# KiCad board Wrap030-Multiuser.kicad_pcb (continued)
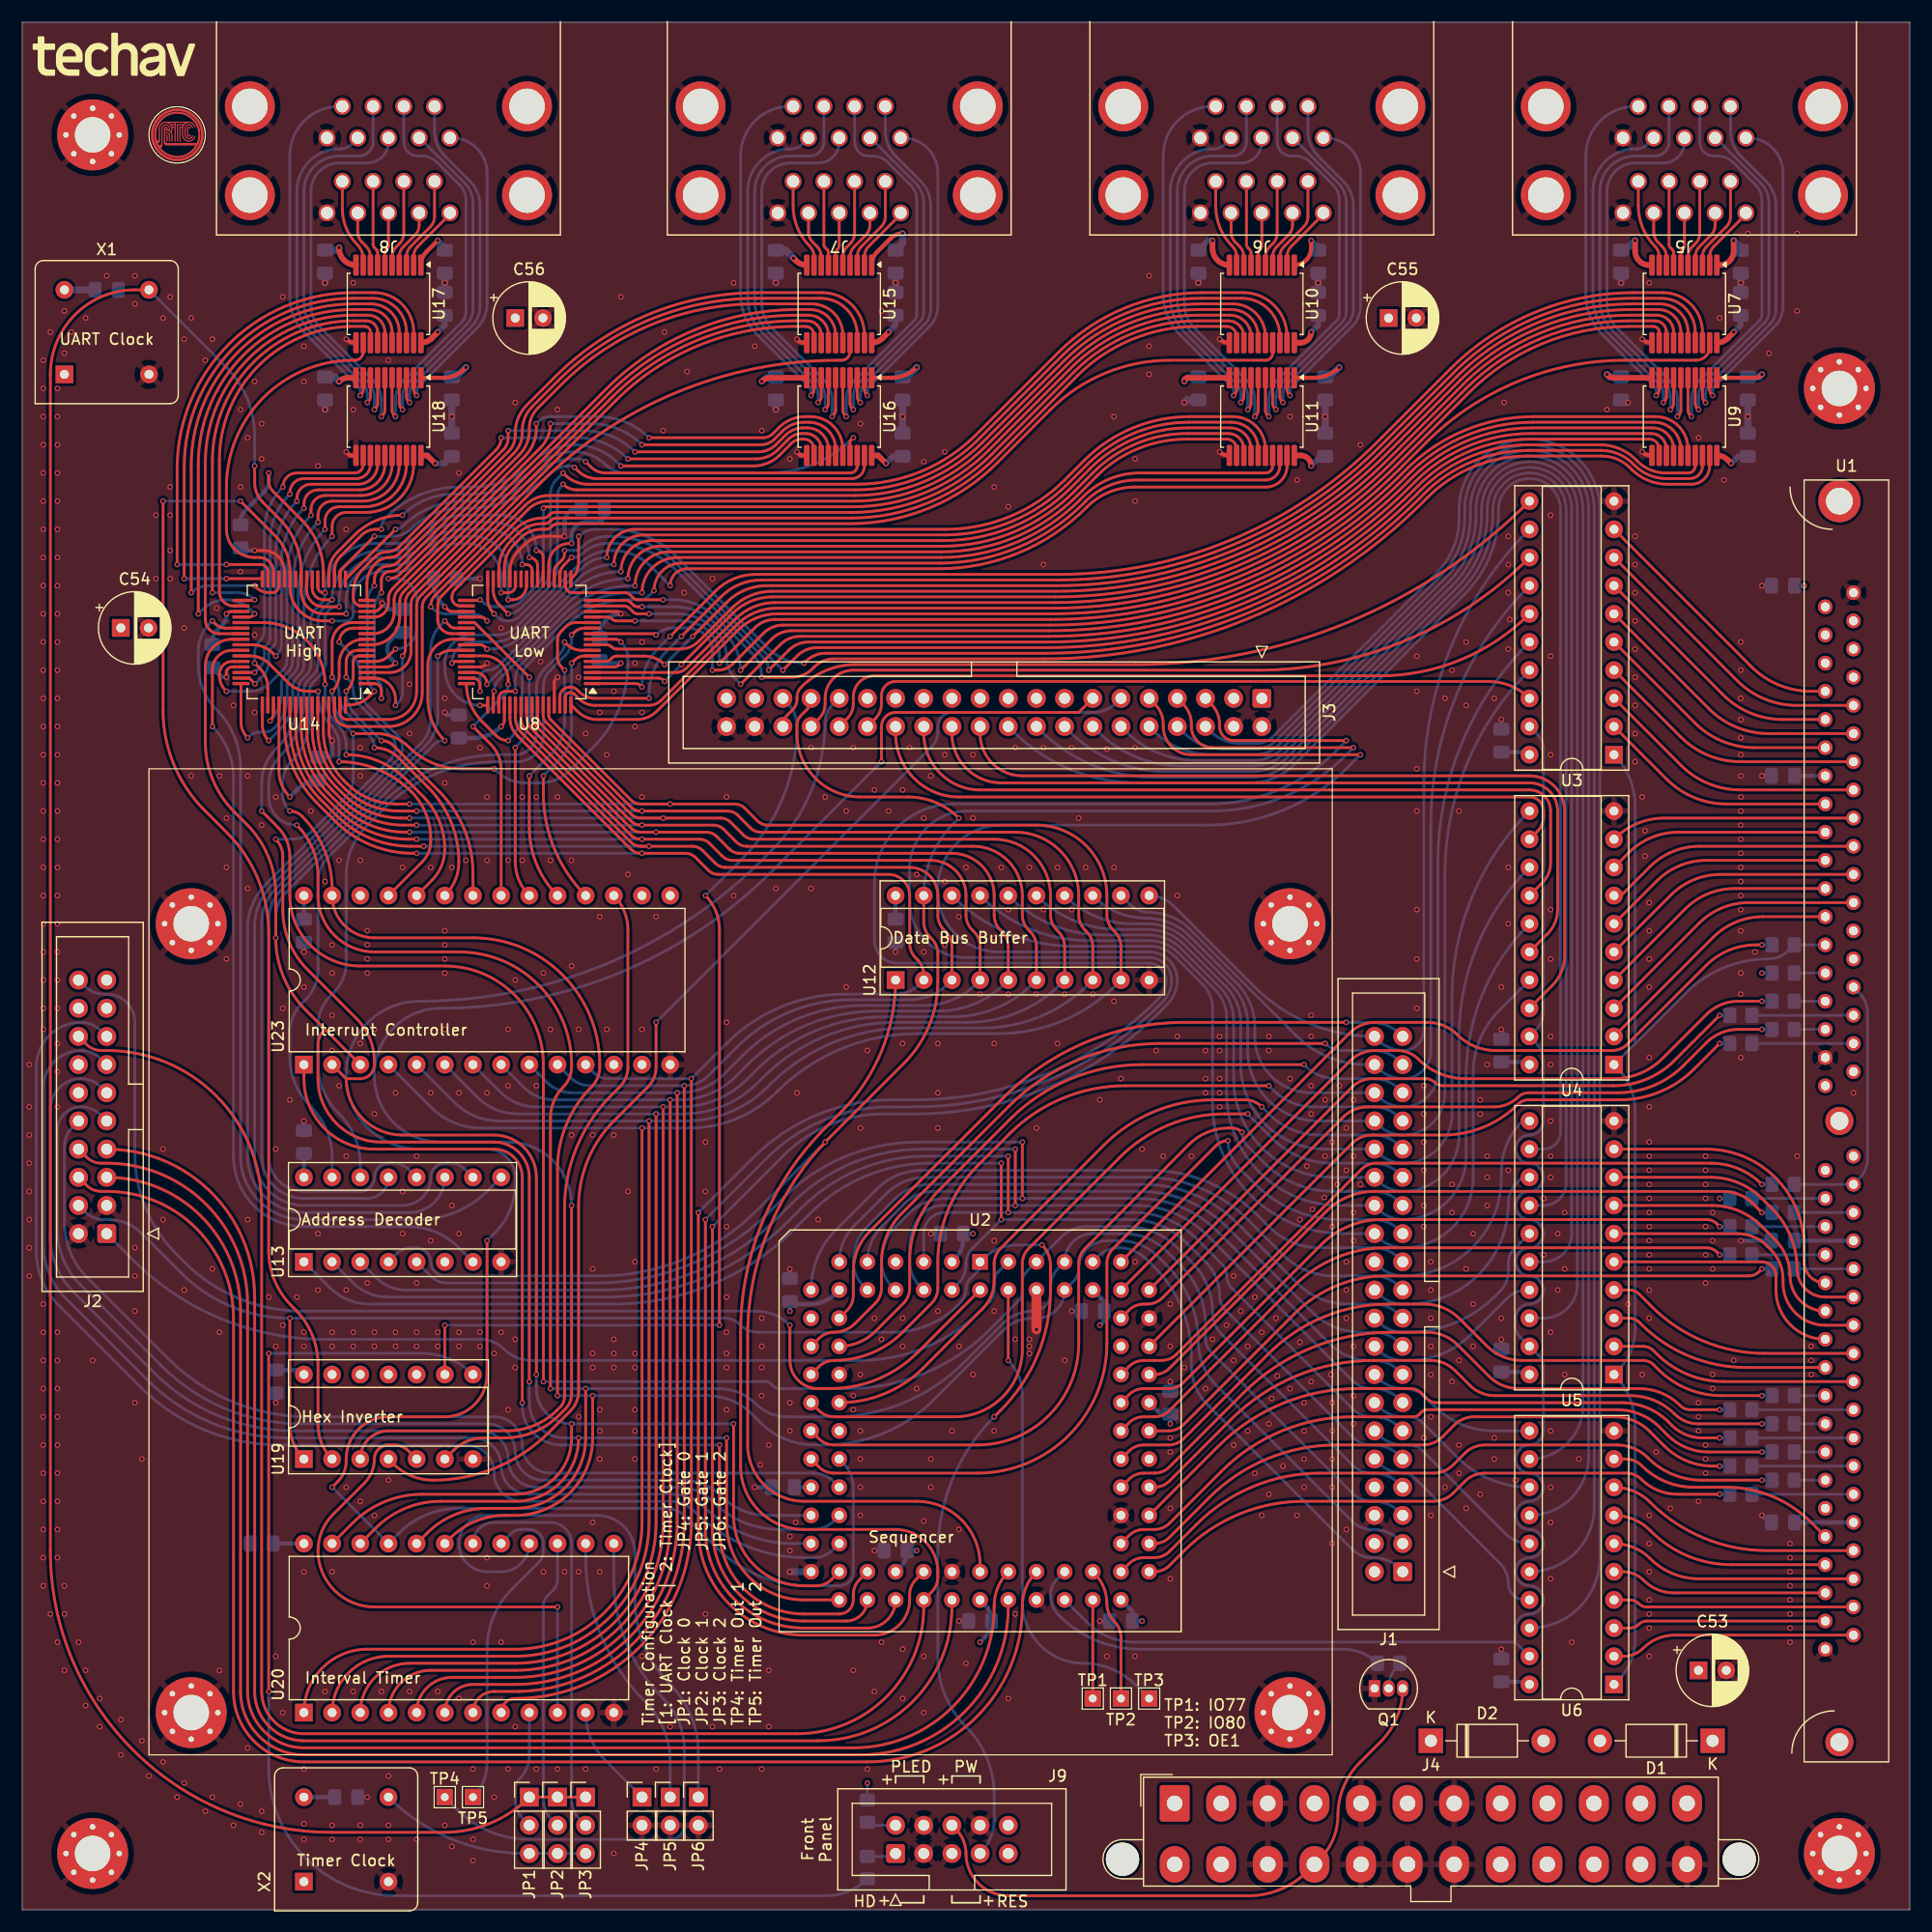
[diagram p0: board, top side]
## Routing (per net, layer and track width the routed paths; a pad name or vN(x,y) marks a point on that pad's centre or on a via; arc(x,y) is an arc through that point) (continued)
/COM0-CTS: length 7.7
  Top w0.254: U7.7 148.88,149.41 arc(148.86,149.55) 148.77,149.68 148.59,149.86 arc(148.5,149.99) 148.48,150.13 J5.A8
/COM0-DCD: length 6
  Top w0.254: J5.A1 155.4,152.86 152.51,149.97 arc(152.23,149.55) 152.13,149.07 U7.2
/COM0-DSR: length 8.5
  Top w0.254: U7.3 151.49,149.05 arc(151.58,149.54) 151.86,149.95 153.64,151.74 arc(153.92,152.15) 154.01,152.64 J5.A6
/COM0-DTR: length 5.1
  Top w0.254: J5.A4 147.09,151.25 arc(147.19,150.77) 147.46,150.35 147.86,149.95 arc(148.14,149.54) 148.24,149.05 U7.8
/COM0-RI: length 8.1
  Top w0.254: U7.9 147.58,149.07 arc(147.49,149.55) 147.21,149.97 arc(146.1,151.64) 145.7,153.61 J5.A9
/COM0-RTS: length 7.9
  Top w0.254: J5.A7 151.25,151.14 arc(151.15,150.65) 150.87,150.24 150.56,149.92 arc(150.28,149.51) 150.19,149.02 U7.5
/COM0-RXD: length 5.3
  Top w0.254: U7.4 150.83,149.04 arc(150.93,149.52) 151.21,149.94 152.26,150.99 arc(152.53,151.4) 152.63,151.89 J5.A2
/COM0-TXD: length 4.8
  Top w0.254: J5.A3 149.86,150.02 arc(149.83,149.87) 149.75,149.75 149.65,149.65 arc(149.56,149.52) 149.54,149.38 U7.6
/COM1-CTS: length 37
  Top w0.254: U9.7 148.88,135.81 arc(148.84,135.57) 148.7,135.36 v1(148.59,135.25)
  Bottom w0.254: J5.B8 148.48,159.39 arc(148.1,158.49) 147.2,158.12 145.42,158.12 arc(143.17,157.19) 142.24,154.94 142.24,145.09 arc(142.53,143.63) 143.36,142.39 148.03,137.72 arc(148.44,137.1) 148.59,136.37 v1(148.59,135.25)
/COM1-DCD: length 29.4
  Top w0.254: U9.2 152.13,137.05 arc(152.18,136.81) 152.32,136.6 v1(152.4,136.53)
  Bottom w0.254: v1(152.4,136.53) 152.4,136.9 arc(152.45,137.14) 152.59,137.35 158.01,142.77 arc(158.56,143.59) 158.75,144.56 158.75,156.58 arc(157.82,158.82) 155.57,159.75 J5.B1
/COM1-DSR: length 32.9
  Top w0.254: U9.3 151.49,136.43 arc(151.53,136.19) 151.67,135.98 v1(151.76,135.89)
  Bottom w0.254: v1(151.76,135.89) 151.76,136.63 arc(151.86,137.12) 152.14,137.53 157.56,142.95 arc(157.97,143.57) 158.12,144.3 158.12,153.62 arc(157.87,154.84) 157.19,155.87 154.94,158.11 arc(154.26,159.14) 154.01,160.36 J5.B6
/COM1-DTR: length 31.8
  Top w0.254: U9.8 148.24,136.43 arc(148.19,136.19) 148.05,135.98 v1(147.95,135.89)
  Bottom w0.254: v1(147.95,135.89) 147.95,136.63 arc(147.86,137.12) 147.58,137.53 142.91,142.21 arc(141.94,143.65) 141.61,145.35 141.61,154.94 arc(142.72,157.63) 145.42,158.75 145.56,158.75 arc(146.05,158.85) 146.46,159.12 J5.B4
/COM1-RI: length 33
  Top w0.254: U9.9 147.58,137.05 arc(147.54,136.81) 147.4,136.6 v1(147.32,136.53)
  Bottom w0.254: J5.B9 145.42,162.59 arc(142.27,161.29) 140.97,158.15 140.97,145.61 arc(141.36,143.67) 142.46,142.02 147.13,137.35 arc(147.27,137.14) 147.32,136.9 v1(147.32,136.53)
/COM1-RTS: length 37.1
  Top w0.254: v1(150.5,134.62) 150.37,134.74 arc(150.23,134.95) 150.19,135.19 U9.5
  Bottom w0.254: J5.B7 151.25,159.39 arc(151.62,158.49) 152.51,158.12 152.88,158.12 arc(153.61,157.97) 154.23,157.56 156.29,155.5 arc(156.7,154.88) 156.85,154.15 156.85,143.77 arc(156.8,143.53) 156.66,143.32 151.24,137.9 arc(150.69,137.08) 150.5,136.11 v1(150.5,134.62)
/COM1-RXD: length 31.9
  Top w0.254: v1(151.13,135.25) 151.02,135.36 arc(150.88,135.57) 150.83,135.81 U9.4
  Bottom w0.254: v1(151.13,135.25) 151.13,136.37 arc(151.28,137.1) 151.69,137.72 157.11,143.14 arc(157.38,143.55) 157.48,144.04 157.48,153.89 arc(157.29,154.86) 156.74,155.68 152.67,159.75 J5.B2
/COM1-TXD: length 36.2
  Top w0.254: U9.6 149.54,135.19 arc(149.49,134.95) 149.35,134.74 v1(149.23,134.62)
  Bottom w0.254: v1(149.23,134.62) 149.23,136.11 arc(149.03,137.08) 148.48,137.9 143.8,142.58 arc(143.12,143.61) 142.88,144.83 142.88,154.94 arc(143.62,156.74) 145.42,157.48 147.95,157.48 arc(149.3,158.04) 149.86,159.39 J5.B3
/COM2-CTS: length 7.7
  Top w0.254: U10.7 110.79,149.41 arc(110.76,149.55) 110.67,149.68 110.49,149.86 arc(110.4,149.99) 110.38,150.13 J6.A8
/COM2-DCD: length 6
  Top w0.254: U10.2 114.04,149.07 arc(114.13,149.55) 114.41,149.97 117.3,152.86 J6.A1
/COM2-DSR: length 8.5
  Top w0.254: U10.3 113.39,149.05 arc(113.48,149.54) 113.76,149.95 115.54,151.74 arc(115.82,152.15) 115.92,152.64 J6.A6
/COM2-DTR: length 5.1
  Top w0.254: U10.8 110.14,149.05 arc(110.04,149.54) 109.76,149.95 109.36,150.35 arc(109.09,150.77) 108.99,151.25 J6.A4
/COM2-RI: length 8.1
  Top w0.254: J6.A9 107.61,153.61 arc(108,151.64) 109.11,149.97 arc(109.39,149.55) 109.48,149.07 U10.9
/COM2-RTS: length 7.9
  Top w0.254: U10.5 112.08,149.02 arc(112.18,149.51) 112.46,149.92 112.77,150.24 arc(113.05,150.65) 113.14,151.14 J6.A7
/COM2-RXD: length 5.3
  Top w0.254: U10.4 112.73,149.04 arc(112.83,149.52) 113.11,149.94 114.16,150.99 arc(114.43,151.4) 114.53,151.89 J6.A2
/COM2-TXD: length 4.8
  Top w0.254: U10.6 111.44,149.38 arc(111.46,149.52) 111.55,149.65 111.65,149.75 arc(111.73,149.87) 111.76,150.02 J6.A3
/COM3-CTS: length 37
  Top w0.254: v1(110.49,135.25) 110.6,135.36 arc(110.74,135.57) 110.79,135.81 U11.7
  Bottom w0.254: J6.B8 110.38,159.39 arc(110,158.49) 109.11,158.12 107.32,158.12 arc(105.07,157.19) 104.14,154.94 104.14,145.09 arc(104.43,143.63) 105.26,142.39 109.93,137.72 arc(110.34,137.1) 110.49,136.37 v1(110.49,135.25)
/COM3-DCD: length 29.4
  Top w0.254: v1(114.3,136.53) 114.22,136.6 arc(114.08,136.81) 114.04,137.05 U11.2
  Bottom w0.254: J6.B1 117.48,159.75 arc(119.72,158.82) 120.65,156.58 120.65,144.56 arc(120.46,143.59) 119.91,142.77 114.49,137.35 arc(114.35,137.14) 114.3,136.9 v1(114.3,136.53)
/COM3-DSR: length 32.9
  Top w0.254: U11.3 113.39,136.43 arc(113.43,136.19) 113.57,135.98 v1(113.67,135.89)
  Bottom w0.254: v1(113.67,135.89) 113.67,136.63 arc(113.76,137.12) 114.04,137.53 119.46,142.95 arc(119.87,143.57) 120.02,144.3 120.02,153.62 arc(119.77,154.84) 119.09,155.87 116.84,158.11 arc(116.16,159.14) 115.92,160.36 J6.B6
/COM3-DTR: length 31.8
  Top w0.254: U11.8 110.14,136.43 arc(110.09,136.19) 109.95,135.98 v1(109.86,135.89)
  Bottom w0.254: J6.B4 108.36,159.12 arc(107.95,158.85) 107.46,158.75 107.32,158.75 arc(104.62,157.63) 103.51,154.94 103.51,145.35 arc(103.84,143.65) 104.81,142.21 109.48,137.53 arc(109.76,137.12) 109.86,136.63 v1(109.86,135.89)
/COM3-RI: length 33
  Top w0.254: U11.9 109.48,137.05 arc(109.44,136.81) 109.3,136.6 v1(109.22,136.53)
  Bottom w0.254: v1(109.22,136.53) 109.22,136.9 arc(109.17,137.14) 109.03,137.35 104.36,142.02 arc(103.26,143.67) 102.87,145.61 102.87,158.15 arc(104.17,161.29) 107.32,162.59 J6.B9
/COM3-RTS: length 37.1
  Top w0.254: v1(112.39,134.62) 112.27,134.74 arc(112.13,134.95) 112.08,135.19 U11.5
  Bottom w0.254: v1(112.39,134.62) 112.39,136.11 arc(112.59,137.08) 113.14,137.9 118.56,143.32 arc(118.7,143.53) 118.74,143.77 118.74,154.15 arc(118.6,154.88) 118.19,155.5 116.13,157.56 arc(115.51,157.97) 114.78,158.12 114.42,158.12 arc(113.52,158.49) 113.14,159.39 J6.B7
/COM3-RXD: length 31.9
  Top w0.254: U11.4 112.73,135.81 arc(112.78,135.57) 112.92,135.36 v1(113.03,135.25)
  Bottom w0.254: v1(113.03,135.25) 113.03,136.37 arc(113.18,137.1) 113.59,137.72 119.01,143.14 arc(119.28,143.55) 119.38,144.04 119.38,153.89 arc(119.19,154.86) 118.64,155.68 114.57,159.75 J6.B2
/COM3-TXD: length 36.2
  Top w0.254: v1(111.13,134.62) 111.25,134.74 arc(111.39,134.95) 111.44,135.19 U11.6
  Bottom w0.254: J6.B3 111.76,159.39 arc(111.2,158.04) 109.86,157.48 107.32,157.48 arc(105.52,156.74) 104.77,154.94 104.77,144.83 arc(105.02,143.61) 105.7,142.58 110.38,137.9 arc(110.93,137.08) 111.13,136.11 v1(111.13,134.62)
/COM4-CTS: length 7.7
  Top w0.254: 72.28,155.83 72.28,150.13 arc(72.3,149.99) 72.39,149.86 72.57,149.68 arc(72.66,149.55) 72.69,149.41 U15.7
/COM4-DCD: length 6
  Top w0.254: U15.2 75.94,149.07 arc(76.03,149.55) 76.31,149.97 79.2,152.86 J7.A1
/COM4-DSR: length 8.5
  Top w0.254: U15.3 75.28,149.05 arc(75.38,149.54) 75.66,149.95 77.44,151.74 arc(77.72,152.15) 77.82,152.64 77.82,155.83
/COM4-DTR: length 5.1
  Top w0.254: U15.8 72.03,149.05 arc(71.94,149.54) 71.66,149.95 71.26,150.35 arc(70.99,150.77) 70.89,151.25 J7.A4
/COM4-RI: length 8.1
  Top w0.254: J7.A9 69.51,153.61 arc(69.9,151.64) 71.01,149.97 arc(71.29,149.55) 71.39,149.07 U15.9
/COM4-RTS: length 7.9
  Top w0.254: U15.5 73.98,149.02 arc(74.08,149.51) 74.36,149.92 74.67,150.24 arc(74.95,150.65) 75.05,151.14 J7.A7
/COM4-RXD: length 5.3
  Top w0.254: J7.A2 76.43,151.89 arc(76.33,151.4) 76.06,150.99 75.01,149.94 arc(74.73,149.52) 74.64,149.04 74.64,148.28
/COM4-TXD: length 4.8
  Top w0.254: 73.34,148.28 73.34,149.38 arc(73.36,149.52) 73.45,149.65 73.55,149.75 arc(73.63,149.87) 73.66,150.02 J7.A3
/COM5-CTS: length 37
  Top w0.254: U16.7 72.69,135.81 arc(72.64,135.57) 72.5,135.36 v1(72.39,135.25)
  Bottom w0.254: v1(72.39,135.25) 72.39,136.37 arc(72.24,137.1) 71.83,137.72 67.16,142.39 arc(66.33,143.63) 66.04,145.09 66.04,154.94 arc(66.97,157.19) 69.22,158.12 71.01,158.12 arc(71.9,158.49) 72.28,159.39 72.28,162.59
/COM5-DCD: length 29.4
  Top w0.254: U16.2 75.94,137.05 arc(75.98,136.81) 76.12,136.6 v1(76.2,136.53)
  Bottom w0.254: J7.B1 79.38,159.75 arc(81.62,158.82) 82.55,156.58 82.55,144.56 arc(82.36,143.59) 81.81,142.77 76.39,137.35 arc(76.25,137.14) 76.2,136.9 v1(76.2,136.53)
/COM5-DSR: length 32.9
  Top w0.254: U16.3 75.28,136.43 arc(75.33,136.19) 75.47,135.98 v1(75.56,135.89)
  Bottom w0.254: v1(75.56,135.89) 75.56,136.63 arc(75.66,137.12) 75.94,137.53 81.36,142.95 arc(81.77,143.57) 81.92,144.3 81.92,153.62 arc(81.67,154.84) 80.99,155.87 78.74,158.11 arc(78.06,159.14) 77.82,160.36 77.82,162.59
/COM5-DTR: length 31.8
  Top w0.254: v1(71.76,135.89) 71.85,135.98 arc(71.99,136.19) 72.03,136.43 U16.8
  Bottom w0.254: v1(71.76,135.89) 71.76,136.63 arc(71.66,137.12) 71.38,137.53 66.71,142.21 arc(65.74,143.65) 65.41,145.35 65.41,154.94 arc(66.52,157.63) 69.22,158.75 69.36,158.75 arc(69.85,158.85) 70.26,159.12 J7.B4
/COM5-RI: length 33
  Top w0.254: U16.9 71.39,137.05 arc(71.34,136.81) 71.2,136.6 v1(71.12,136.53)
  Bottom w0.254: J7.B9 69.22,162.59 arc(66.07,161.29) 64.77,158.15 64.77,145.61 arc(65.16,143.67) 66.26,142.02 70.93,137.35 arc(71.07,137.14) 71.12,136.9 v1(71.12,136.53)
/COM5-RTS: length 37.1
  Top w0.254: U16.5 73.98,135.19 arc(74.03,134.95) 74.17,134.74 v1(74.3,134.62)
  Bottom w0.254: J7.B7 75.05,159.39 arc(75.42,158.49) 76.31,158.12 76.68,158.12 arc(77.41,157.97) 78.03,157.56 80.09,155.5 arc(80.5,154.88) 80.64,154.15 80.64,143.77 arc(80.6,143.53) 80.46,143.32 75.04,137.9 arc(74.49,137.08) 74.3,136.11 v1(74.3,134.62)
/COM5-RXD: length 31.9
  Top w0.254: 74.64,138.12 74.64,135.81 arc(74.68,135.57) 74.82,135.36 v1(74.93,135.25)
  Bottom w0.254: v1(74.93,135.25) 74.93,136.37 arc(75.08,137.1) 75.49,137.72 80.91,143.14 arc(81.18,143.55) 81.28,144.04 81.28,153.89 arc(81.09,154.86) 80.54,155.68 76.47,159.75 J7.B2
/COM5-TXD: length 36.2
  Top w0.254: v1(73.03,134.62) 73.15,134.74 arc(73.29,134.95) 73.34,135.19 73.34,138.12
  Bottom w0.254: v1(73.03,134.62) 73.03,136.11 arc(72.83,137.08) 72.28,137.9 67.6,142.58 arc(66.92,143.61) 66.67,144.83 66.67,154.94 arc(67.42,156.74) 69.22,157.48 71.76,157.48 arc(73.1,158.04) 73.66,159.39 J7.B3
/COM6-CTS: length 7.7
  Top w0.254: U17.7 32.05,149.41 arc(32.02,149.55) 31.93,149.68 31.75,149.86 arc(31.66,149.99) 31.64,150.13 31.64,155.83
/COM6-DCD: length 6
  Top w0.254: U17.2 35.3,149.07 arc(35.39,149.55) 35.67,149.97 38.56,152.86 J8.A1
/COM6-DSR: length 8.5
  Top w0.254: U17.3 34.64,149.05 arc(34.74,149.54) 35.02,149.95 36.8,151.74 arc(37.08,152.15) 37.17,152.64 J8.A6
/COM6-DTR: length 5.1
  Top w0.254: U17.8 31.39,149.05 arc(31.3,149.54) 31.02,149.95 30.62,150.35 arc(30.35,150.77) 30.25,151.25 J8.A4
/COM6-RI: length 8.1
  Top w0.254: U17.9 30.75,148.81 arc(30.6,149.54) 30.19,150.15 arc(29.21,151.62) 28.87,153.35 J8.A9
/COM6-RTS: length 7.9
  Top w0.254: J8.A7 34.41,151.14 arc(34.31,150.65) 34.03,150.24 33.72,149.92 arc(33.44,149.51) 33.34,149.02 U17.5
/COM6-RXD: length 5.3
  Top w0.254: J8.A2 35.79,151.89 arc(35.69,151.4) 35.42,150.99 34.37,149.94 arc(34.09,149.52) 34,149.04 34,148.28
/COM6-TXD: length 4.8
  Top w0.254: 32.7,148.28 32.7,149.38 arc(32.72,149.52) 32.81,149.65 32.91,149.75 arc(32.99,149.87) 33.02,150.02 J8.A3
/COM7-CTS: length 37
  Top w0.254: v1(31.75,135.25) 31.86,135.36 arc(32,135.57) 32.05,135.81 U18.7
  Bottom w0.254: 31.64,162.59 31.64,159.39 arc(31.26,158.49) 30.37,158.12 28.58,158.12 arc(26.33,157.19) 25.4,154.94 25.4,144.83 arc(25.64,143.61) 26.33,142.58 31.19,137.72 arc(31.6,137.1) 31.75,136.37 v1(31.75,135.25)
/COM7-DCD: length 29.4
  Top w0.254: v1(35.56,136.53) 35.48,136.6 arc(35.34,136.81) 35.3,137.05 U18.2
  Bottom w0.254: v1(35.56,136.53) 35.56,136.9 arc(35.61,137.14) 35.75,137.35 40.98,142.58 arc(41.67,143.61) 41.91,144.83 41.91,156.58 arc(40.98,158.82) 38.73,159.75 J8.B1
/COM7-DSR: length 32.9
  Top w0.254: U18.3 34.64,136.43 arc(34.69,136.19) 34.83,135.98 v1(34.92,135.89)
  Bottom w0.254: J8.B6 37.17,160.36 arc(37.42,159.14) 38.1,158.11 40.35,155.87 arc(41.03,154.84) 41.28,153.62 41.28,144.56 arc(41.08,143.59) 40.53,142.77 35.3,137.53 arc(35.02,137.12) 34.92,136.63 v1(34.92,135.89)
/COM7-DTR: length 31.8
  Top w0.254: U18.8 31.39,136.43 arc(31.35,136.19) 31.21,135.98 v1(31.12,135.89)
  Bottom w0.254: v1(31.12,135.89) 31.12,136.63 arc(31.02,137.12) 30.74,137.53 25.88,142.39 arc(25.06,143.63) 24.77,145.09 24.77,154.94 arc(25.88,157.63) 28.58,158.75 28.72,158.75 arc(29.21,158.85) 29.62,159.12 J8.B4
/COM7-RI: length 33
  Top w0.254: v1(30.48,136.53) 30.56,136.6 arc(30.7,136.81) 30.75,137.05 U18.9
  Bottom w0.254: v1(30.48,136.53) 30.48,136.9 arc(30.43,137.14) 30.29,137.35 25.43,142.21 arc(24.47,143.65) 24.13,145.35 ; J8.B9 28.58,162.59 arc(25.43,161.29) 24.13,158.15 24.13,145.34
/COM7-RTS: length 37.1
  Top w0.254: v1(33.66,134.62) 33.53,134.74 arc(33.39,134.95) 33.34,135.19 U18.5
  Bottom w0.254: J8.B7 34.41,159.39 arc(34.78,158.49) 35.67,158.12 36.04,158.12 arc(36.77,157.97) 37.39,157.56 39.45,155.5 arc(39.86,154.88) 40.01,154.15 40.01,144.04 arc(39.91,143.55) 39.63,143.14 34.4,137.9 arc(33.85,137.08) 33.66,136.11 v1(33.66,134.62)
/COM7-RXD: length 31.8
  Top w0.254: 34,138.12 34,135.81 arc(34.04,135.57) 34.18,135.36 v1(34.29,135.25)
  Bottom w0.254: v1(34.29,135.25) 34.29,136.37 arc(34.44,137.1) 34.85,137.72 40.08,142.95 arc(40.49,143.57) 40.64,144.3 40.64,153.89 arc(40.45,154.86) 39.9,155.68 35.83,159.75 J8.B2
/COM7-TXD: length 36.2
  Top w0.254: 32.7,138.12 32.7,135.19 arc(32.65,134.95) 32.51,134.74 v1(32.39,134.62)
  Bottom w0.254: J8.B3 33.02,159.39 arc(32.46,158.04) 31.12,157.48 28.58,157.48 arc(26.78,156.74) 26.03,154.94 26.03,144.56 arc(26.23,143.59) 26.78,142.77 31.64,137.9 arc(32.19,137.08) 32.39,136.11 v1(32.39,134.62)
/CPU-A0: length 90.6
  Bottom w0.254: U2.27 73.13,38.63 arc(72.31,39.18) 71.34,39.37 47.62,39.37 arc(45.83,40.11) 45.09,41.91 arc(44.34,43.71) 42.55,44.45 25.78,44.45 arc(18.98,45.8) 13.21,49.66 5.86,57.01 arc(4.34,59.28) 3.81,61.95 3.81,68.8 arc(4,69.77) 4.55,70.59 J2.10
/CPU-A1: length 43.8
  Bottom w0.254: J1.1 124.12,30.82 arc(123.09,31.51) 121.87,31.75 121.7,31.75 arc(120.73,31.94) 119.91,32.49 106.85,45.55 arc(105.78,47.15) 105.41,49.03 105.41,49.91 arc(104.55,54.25) 102.09,57.93 101.38,58.64 arc(100.22,59.42) 98.84,59.69 arc(97.87,59.5) 97.05,58.95 U2.77
/CPU-A2: length 243.1
  Top w0.254: U20.19 38.59,33.51 arc(40.86,35.03) 43.53,35.56 44.45,35.56 arc(49.39,37.61) 51.44,42.55 v1(51.44,46.36) ; U14.24 25.65,119 arc(26.1,117.92) 27.17,117.48 v1(28.58,117.48) ; U8.24 45.97,120.78 arc(45.82,121.14) 45.46,121.29 v1(45.09,121.29) ; v1(48.26,46.36) 48.26,66.78 arc(49.06,70.79) 51.33,74.19 arc(51.88,75.01) 52.07,75.98 52.07,76.2 arc(48.72,84.28) 40.64,87.63 31.75,87.63 arc(29.06,88.75) U23.27 27.94,92.03 arc(27.23,95.59) 25.21,98.61 arc(24.72,98.94) v1(24.13,99.06)
  Bottom w0.254: v1(24.13,99.06) 24.05,99.14 arc(23.64,99.76) 23.5,100.48 23.5,101.69 arc(23.69,102.66) 24.24,103.49 arc(25.47,105.34) 25.91,107.52 25.91,109.84 arc(26,110.32) 26.28,110.73 26.93,111.39 arc(27.21,111.8) 27.31,112.29 27.31,116.41 arc(27.38,116.81) 27.61,117.15 arc(27.98,117.39) 28.41,117.48 v1(28.58,117.48) 28.58,118.11 arc(29.69,120.8) 32.39,121.92 33.87,121.92 arc(34.84,122.11) 35.67,122.66 arc(37.66,123.99) 40,124.46 41.91,124.46 arc(44.16,123.53) v1(45.09,121.29) ; J1.3 124.12,33.36 arc(123.09,34.05) 121.87,34.29 121.7,34.29 arc(120.73,34.48) 119.91,35.03 107.64,47.3 arc(106.46,49.07) 106.05,51.15 arc(105.29,54.93) 103.15,58.14 102.38,58.91 arc(100.81,59.96) 98.97,60.33 97.79,60.33 arc(95.99,59.58) 95.25,57.79 arc(95.13,57.2) 94.8,56.7 U2.80 arc(93.24,54.08) 91.44,53.34 91.11,53.34 arc(89.66,53.05) 88.42,52.22 82.19,45.99 arc(77.67,42.97) 72.33,41.91 71.41,41.91 arc(68.8,42.43) 66.58,43.91 65.82,44.67 arc(63.95,45.92) 61.76,46.36 v1(51.44,46.36) v1(48.26,46.36)
/CPU-A3: length 241.9
  Top w0.254: U8.23 46.47,121.17 arc(46.25,121.7) v1(45.72,121.92) ; v1(47.62,46.99) 47.62,71.38 arc(47.93,72.9) 48.79,74.19 arc(49.34,75.01) 49.53,75.98 49.53,76.2 arc(46.55,83.38) 39.37,86.36 31.75,86.36 arc(28.16,87.85) 26.67,91.44 26.67,93.19 arc(26.17,95.68) v1(24.77,97.79) ; U14.23 26.15,119.13 arc(26.45,118.41) 27.17,118.11 v1(27.94,118.11) ; v1(50.8,46.99) 50.8,42.55 arc(48.94,38.05) 44.45,36.2 41.89,36.2 arc(38.98,35.61) 36.5,33.96 U20.20
  Bottom w0.254: v1(47.62,46.99) v1(50.8,46.99) 62.8,46.99 arc(64.62,46.63) 66.16,45.6 arc(67.43,44.75) 68.93,44.45 73.13,44.45 arc(79.49,45.71) 84.87,49.31 88.42,52.86 arc(89.66,53.68) 91.11,53.98 arc(92.24,54.44) 92.71,55.57 92.71,56.1 arc(92.9,57.07) 93.45,57.89 U2.79 arc(94.72,60.22) 96.52,60.96 99.32,60.96 arc(101.43,60.54) 103.21,59.35 104.45,58.11 arc(106.1,55.64) 106.68,52.73 106.68,51.53 arc(106.81,50.86) 107.19,50.29 119.91,37.57 arc(120.73,37.02) 121.7,36.83 121.87,36.83 arc(123.09,36.59) 124.12,35.9 J1.5 ; v1(24.77,97.79) arc(22.97,98.53) 22.23,100.33 22.23,101.42 arc(22.52,102.88) 23.34,104.11 arc(24.86,106.39) 25.4,109.08 25.4,109.96 arc(25.5,110.45) 25.77,110.86 26.3,111.39 arc(26.57,111.8) 26.67,112.29 26.67,116.31 arc(26.77,116.8) 27.04,117.21 v1(27.94,118.11) arc(29.24,121.25) 32.39,122.56 33.87,122.56 arc(34.84,122.75) 35.67,123.3 arc(37.66,124.63) 40,125.1 42.55,125.1 arc(44.79,124.17) v1(45.72,121.92)
/CPU-A4: length 213.6
  Top w0.254: U8.22 46.97,121.94 arc(46.79,122.37) v1(46.36,122.56) ; v1(21.59,99.06) 23.05,97.6 arc(23.85,96.4) 24.13,95 24.13,91.44 arc(25.99,86.95) 30.48,85.09 38.1,85.09 arc(44.39,82.49) 46.99,76.2 v1(46.99,47.62) ; v1(27.31,118.75) 27.16,118.75 arc(26.8,118.89) 26.65,119.25 U14.22
  Bottom w0.254: v1(46.99,47.62) 67.05,47.62 arc(67.29,47.58) 67.5,47.44 67.76,47.18 arc(67.97,47.04) 68.21,46.99 74.41,46.99 arc(81.34,48.37) 87.22,52.29 89.8,54.87 arc(90.07,55.29) 90.17,55.77 90.17,56.62 arc(90.27,57.11) 90.54,57.52 U2.81 93.69,60.67 arc(94.72,61.35) 95.93,61.59 99.56,61.59 arc(102.03,61.1) 104.13,59.7 105.46,58.37 arc(106.83,56.32) 107.32,53.89 arc(107.53,52.8) 108.16,51.86 119.91,40.11 arc(120.73,39.56) 121.7,39.37 121.87,39.37 arc(123.09,39.13) 124.12,38.44 J1.7 ; v1(21.59,99.06) 21.59,101.54 arc(21.93,103.24) 22.89,104.68 23.01,104.79 arc(24.4,106.88) 24.89,109.35 24.89,110.09 arc(24.99,110.58) 25.26,110.99 25.66,111.39 arc(25.94,111.8) 26.03,112.29 26.03,116.31 arc(26.13,116.8) 26.41,117.21 26.93,117.74 arc(27.21,118.15) 27.31,118.64 v1(27.31,118.75) arc(28.61,121.89) 31.75,123.19 33.87,123.19 arc(34.84,123.38) 35.67,123.93 arc(37.66,125.26) 40,125.73 43.18,125.73 arc(45.43,124.8) v1(46.36,122.56)
/CPU-A5: length 126.7
  Top w0.254: v1(88.27,67.31) v1(88.27,62.23)
  Bottom w0.254: J1.9 124.12,40.98 arc(123.09,41.67) 121.87,41.91 121.7,41.91 arc(120.73,42.1) 119.91,42.65 108.52,54.04 arc(108.1,54.67) 107.95,55.42 arc(107.63,57.02) 106.72,58.38 104.96,60.14 arc(102.65,61.69) 99.92,62.23 v1(88.27,62.23) 85.73,59.69 85.7,59.69 85.7,59.66 85.65,59.61 arc(85.24,58.99) 85.09,58.27 85.09,58.2 arc(84.9,57.23) 84.35,56.41 U2.4 ; U13.1 27.72,56.1 arc(29.37,55) 31.31,54.61 53.29,54.61 arc(62.14,56.37) 69.64,61.38 71.1,62.85 arc(76.05,66.15) 81.88,67.31 v1(88.27,67.31)
/CPU-A6: length 125.7
  Top w0.254: v1(88.9,67.95) v1(88.9,62.87)
  Bottom w0.254: J1.11 124.12,43.52 arc(123.09,44.21) 121.87,44.45 121.7,44.45 arc(120.73,44.64) 119.91,45.19 109.09,56.01 arc(108.72,56.57) 108.58,57.23 108.58,57.26 arc(108.49,57.74) 108.21,58.16 105.83,60.54 arc(103.25,62.26) 100.22,62.87 v1(88.9,62.87) 83.19,62.87 arc(81.84,62.31) 81.28,60.96 U2.5 ; U13.2 29.81,56.55 arc(31.26,55.58) 32.96,55.25 52.64,55.25 arc(61.5,57.01) 69.01,62.03 70.28,63.3 arc(75.43,66.74) 81.51,67.95 v1(88.9,67.95)
/CPU-A7: length 126.4
  Top w0.254: v1(89.54,68.58) v1(89.54,63.5)
  Bottom w0.254: U13.3 31.9,57 arc(33.14,56.17) 34.6,55.88 52.26,55.88 arc(60.88,57.59) 68.19,62.48 69.46,63.74 arc(74.82,67.32) 81.13,68.58 v1(89.54,68.58) ; U2.6 80.94,56.22 arc(80.25,57.25) 80.01,58.47 80.01,59.95 arc(80.31,61.47) 81.17,62.76 arc(82,63.31) 82.97,63.5 v1(89.54,63.5) 100.38,63.5 arc(103.85,62.81) 106.8,60.84 119.91,47.73 arc(120.73,47.18) 121.7,46.99 121.87,46.99 arc(123.09,46.75) 124.12,46.06 J1.13
/CPU-A8: length 122.8
  Top w0.254: v1(90.17,69.22) v1(90.17,64.14)
  Bottom w0.254: v1(90.17,69.22) 80.76,69.22 arc(74.2,67.91) 68.64,64.19 67.48,63.03 arc(60.26,58.21) 51.75,56.52 38.25,56.52 arc(37.53,56.66) 36.91,57.07 U13.5 ; J1.15 124.12,48.6 arc(123.09,49.29) 121.87,49.53 121.47,49.53 arc(119.54,49.91) 117.9,51.01 107.71,61.2 arc(104.46,63.37) 100.62,64.14 v1(90.17,64.14) 83.25,64.14 arc(81.43,63.77) 79.89,62.74 78.79,61.64 arc(77.81,60.18) 77.47,58.47 arc(77.71,57.25) 78.4,56.22 U2.8
/CPU-A9: length 56.5
  Bottom w0.254: J1.17 124.12,51.14 arc(123.09,51.83) 121.87,52.07 120.74,52.07 arc(118.31,52.55) 116.25,53.93 108.67,61.51 arc(105.06,63.92) 100.8,64.77 82.22,64.77 arc(80.77,64.48) 79.53,63.65 77.55,61.67 arc(76.55,60.18) U2.9
/CPU-A10: length 60.2
  Bottom w0.254: J1.19 124.12,53.68 arc(123.09,54.37) 121.87,54.61 119.47,54.61 arc(117.04,55.09) 114.98,56.47 109.57,61.88 arc(105.67,64.49) 101.06,65.41 81.85,65.41 arc(80.15,65.07) 78.71,64.1 76.25,61.64 arc(75.27,60.18) 74.93,58.47 arc(75.17,57.25) 75.86,56.22 U2.10
/CPU-A11: length 57.9
  Bottom w0.254: J1.21 124.12,56.22 arc(123.09,56.91) 121.87,57.15 118.2,57.15 arc(115.77,57.63) 113.71,59.01 110.49,62.23 arc(106.27,65.05) 101.29,66.04 81.48,66.04 arc(79.54,65.65) 77.89,64.55 75.01,61.67 arc(74.01,60.18) U2.11
/CPU-A12: length 61.5
  Bottom w0.254: J1.23 124.12,58.76 arc(123.09,59.45) 121.87,59.69 116.93,59.69 arc(114.5,60.17) 112.44,61.55 111.37,62.62 arc(106.88,65.62) 101.58,66.68 81.11,66.68 arc(78.92,66.24) 77.07,65 73.37,61.3 arc(71.7,58.81) U2.12
/CPU-A13: length 76.1
  Top w0.254: U2.24 71.83,39.93 arc(72.45,39.52) 73.18,39.37 86.11,39.37 arc(94.37,42.79) 97.79,51.05 97.79,58.27 arc(97.94,58.99) 98.35,59.61 107.63,68.89 arc(108.13,69.23) v1(108.71,69.34)
  Bottom w0.254: J1.25 124.12,61.3 arc(123.09,61.99) 121.87,62.23 118.83,62.23 arc(114.7,63.05) 111.21,65.39 109.74,66.85 arc(108.98,67.99) v1(108.71,69.34)
/CPU-A14: length 74.1
  Top w0.254: U2.22 71.83,42.47 arc(72.45,42.06) 73.18,41.91 86.11,41.91 arc(92.57,44.59) 95.25,51.05 95.25,58.27 arc(95.4,58.99) 95.81,59.61 105.19,69 arc(106.84,70.1) 108.78,70.49 109.06,70.49 arc(109.56,70.39) v1(109.98,70.1)
  Bottom w0.254: J1.27 124.12,63.84 arc(123.09,64.53) 121.87,64.77 118.14,64.77 arc(114.83,65.43) 112.02,67.3 110.5,68.82 arc(110.12,69.4) 109.98,70.08 v1(109.98,70.1)
/CPU-A15: length 72.3
  Top w0.254: v1(110.49,71.76) 108.43,71.76 arc(103.29,70.73) 98.94,67.82 90.73,59.61 arc(90.32,58.99) 90.17,58.27 90.17,50.55 arc(88.38,46.24) 84.07,44.45 73.18,44.45 arc(72.45,44.6) 71.83,45.01 U2.20
  Bottom w0.254: J1.29 124.12,66.38 arc(123.09,67.07) 121.87,67.31 118.09,67.31 arc(115.18,67.89) 112.7,69.54 v1(110.49,71.76)
/CPU-A16: length 64.4
  Top w0.254: v1(111.76,72.39) arc(111.06,72.86) 110.23,73.03 107.39,73.03 arc(102.04,71.96) 97.5,68.93 88.19,59.61 arc(87.78,58.99) 87.63,58.27 87.63,56.69 arc(87.37,55.35) 86.61,54.23 81.25,48.86 arc(77.77,46.54) U2.21
  Bottom w0.254: J1.31 124.12,68.92 arc(123.09,69.61) 121.87,69.85 116.93,69.85 arc(114.5,70.33) 112.44,71.71 v1(111.76,72.39)
/CPU-A17: length 68.2
  Top w0.254: v1(112.39,74.3) 99.46,74.3 arc(93.81,73.17) 89.02,69.97 86.16,67.11 arc(83.49,63.11) 82.55,58.4 82.55,56.03 arc(82.4,55.31) 81.99,54.69 79.39,52.08 arc(76.56,50.19) 73.23,49.53 73.18,49.53 arc(72.45,49.38) 71.83,48.97 U2.18
  Bottom w0.254: J1.33 124.12,71.46 arc(123.09,72.15) 121.87,72.39 116.4,72.39 arc(114.46,72.78) 112.81,73.88 v1(112.39,74.3)
/CPU-A18: length 64.8
  Top w0.254: v1(115.57,76.2) 100.97,76.2 arc(94.51,74.92) 89.04,71.26 82.64,64.86 arc(80.69,61.95) 80.01,58.51 80.01,56.03 arc(79.86,55.31) 79.45,54.69 76.91,52.15 arc(75.42,51.15) U2.17
  Bottom w0.254: J1.35 124.12,74 arc(123.09,74.69) 121.87,74.93 118.42,74.93 arc(116.96,75.22) 115.72,76.05 v1(115.57,76.2)
/CPU-A19: length 67.2
  Top w0.254: U2.16 71.83,51.51 arc(72.45,51.92) 73.18,52.07 arc(74.21,52.28) 75.08,52.86 76.91,54.69 arc(77.32,55.31) 77.47,56.03 77.47,58.38 arc(77.94,60.76) 79.29,62.78 88.97,72.46 arc(95.22,76.64) 102.6,78.11 v1(117.48,78.11)
  Bottom w0.254: J1.37 124.12,76.54 arc(123.09,77.23) 121.87,77.47 119.01,77.47 arc(118.18,77.64) v1(117.48,78.11)
/CPU-A20: length 63.9
  Top w0.254: v1(119.38,80.01) 104.83,80.01 arc(95.98,78.25) 88.48,73.24 76.42,61.18 arc(75.32,59.53) 74.93,57.59 74.93,55.4 arc(74.78,54.67) 74.37,54.05 U2.15